# Altium PCB shield_bot.PcbDoc
Units mm, origin at the board's own origin, x right, y up, seen from the top; angles counter-clockwise.
Board outline 70 x 82.5 mm, 2 copper layers (Top Layer, Bottom Layer), stack 1.584 mm thick; 31 components, 69 nets, 187 pads, 257 vias.
Unrouted connection lines stored in the file: 8.
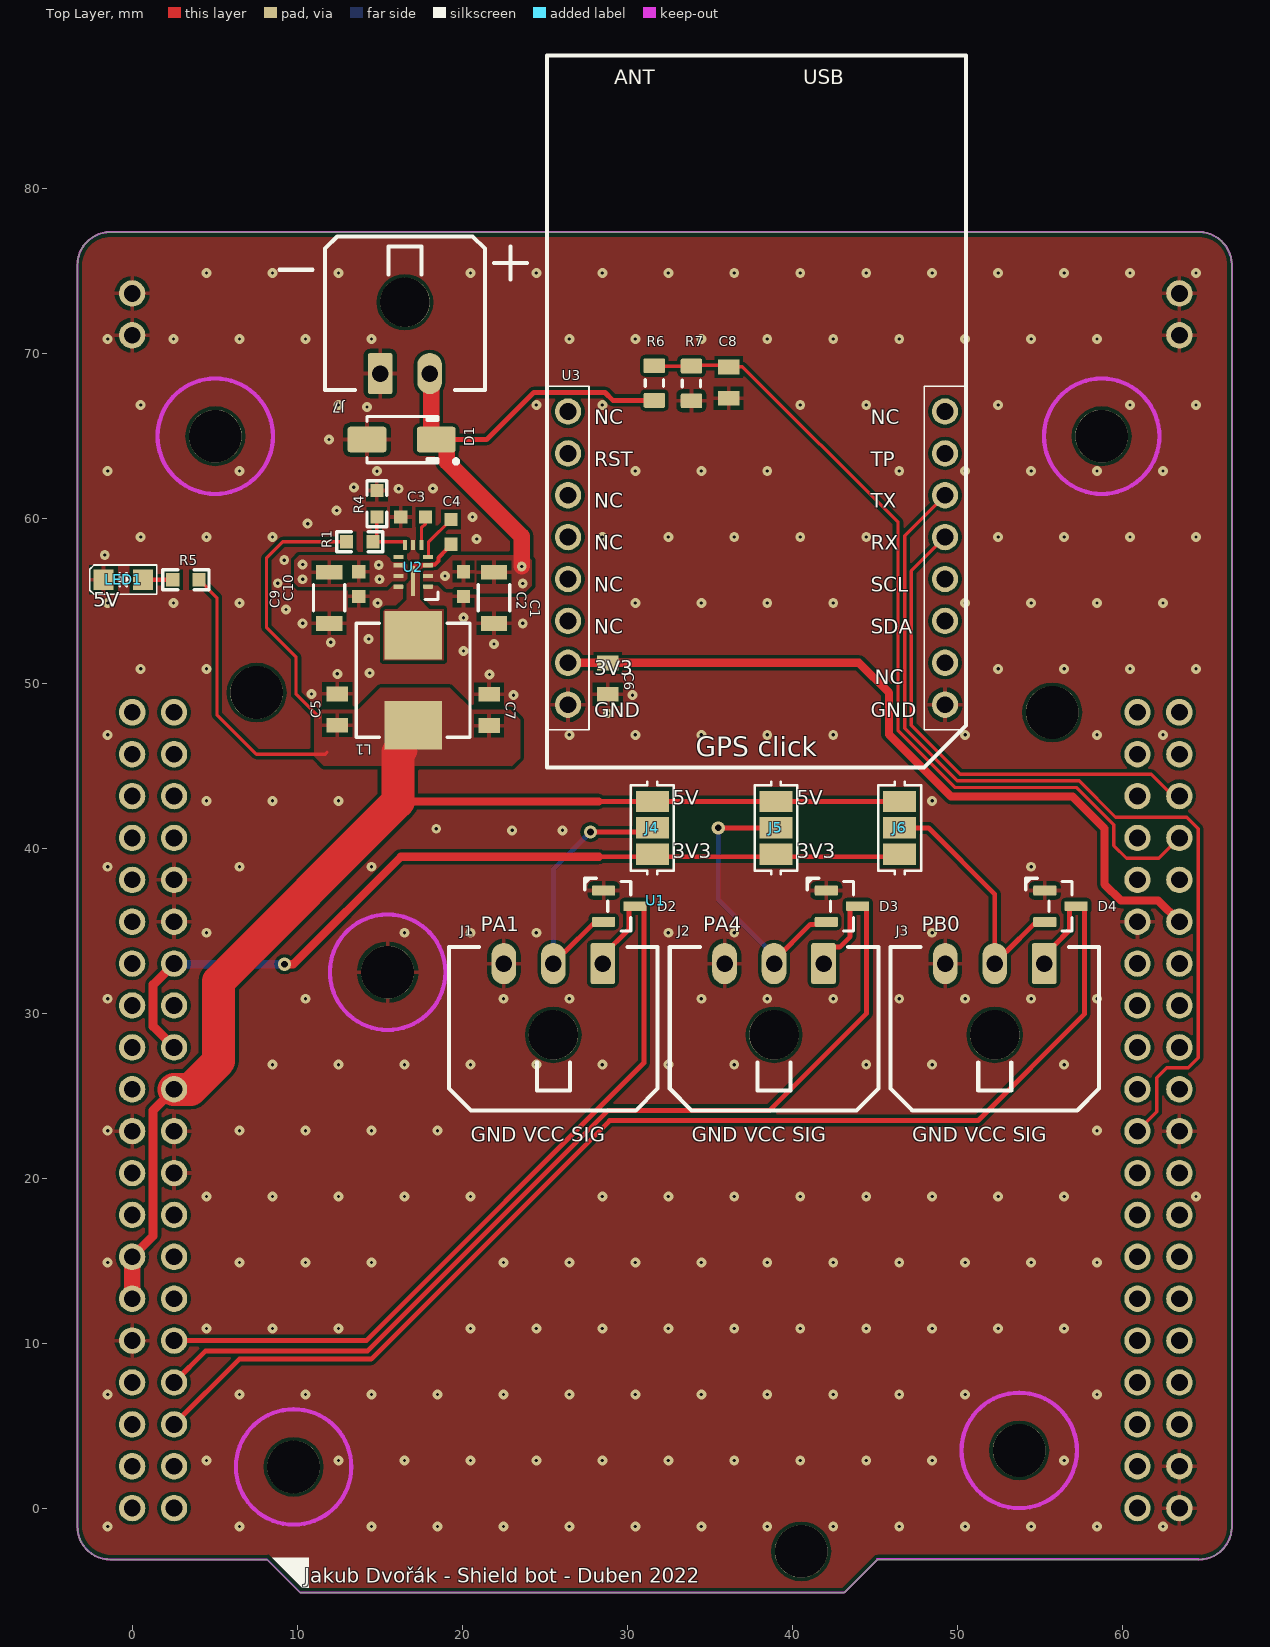
[diagram p0: Top Layer view]
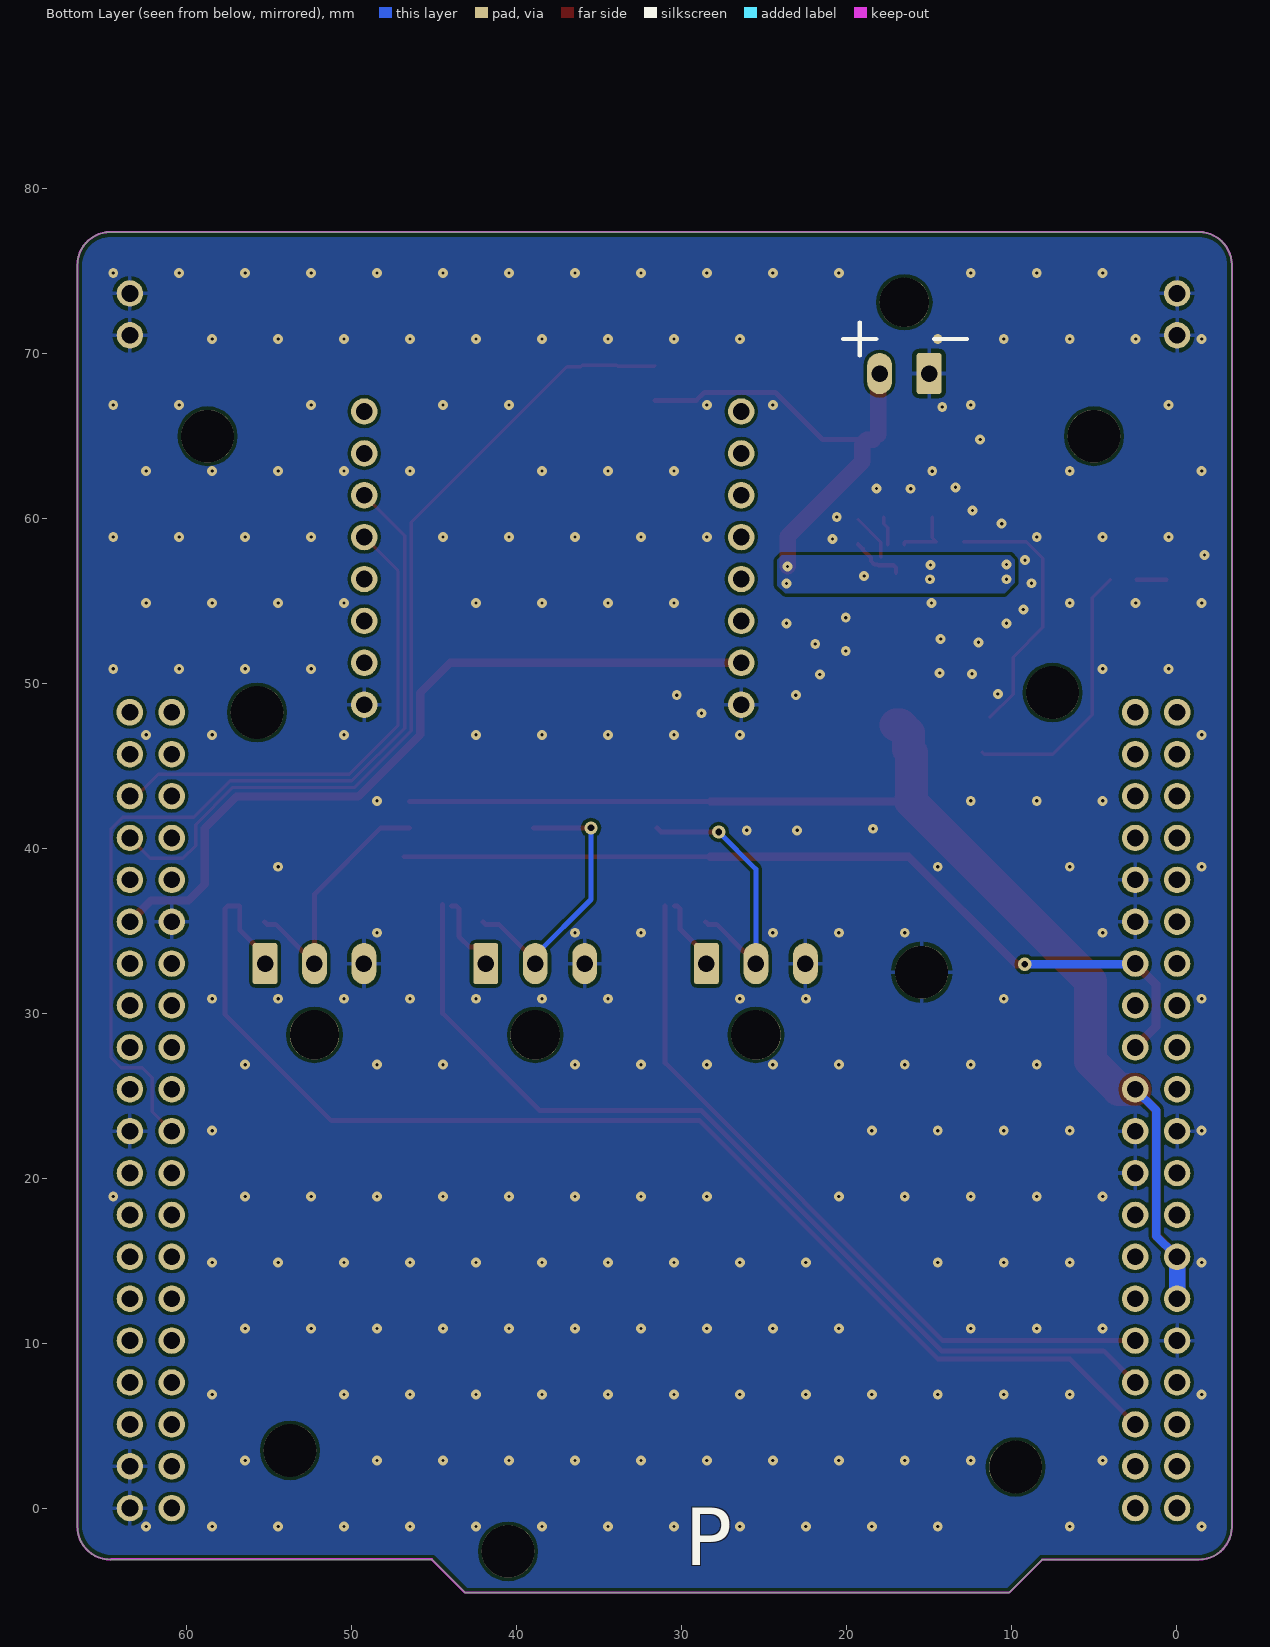
[diagram p1: Bottom Layer view, seen from below]
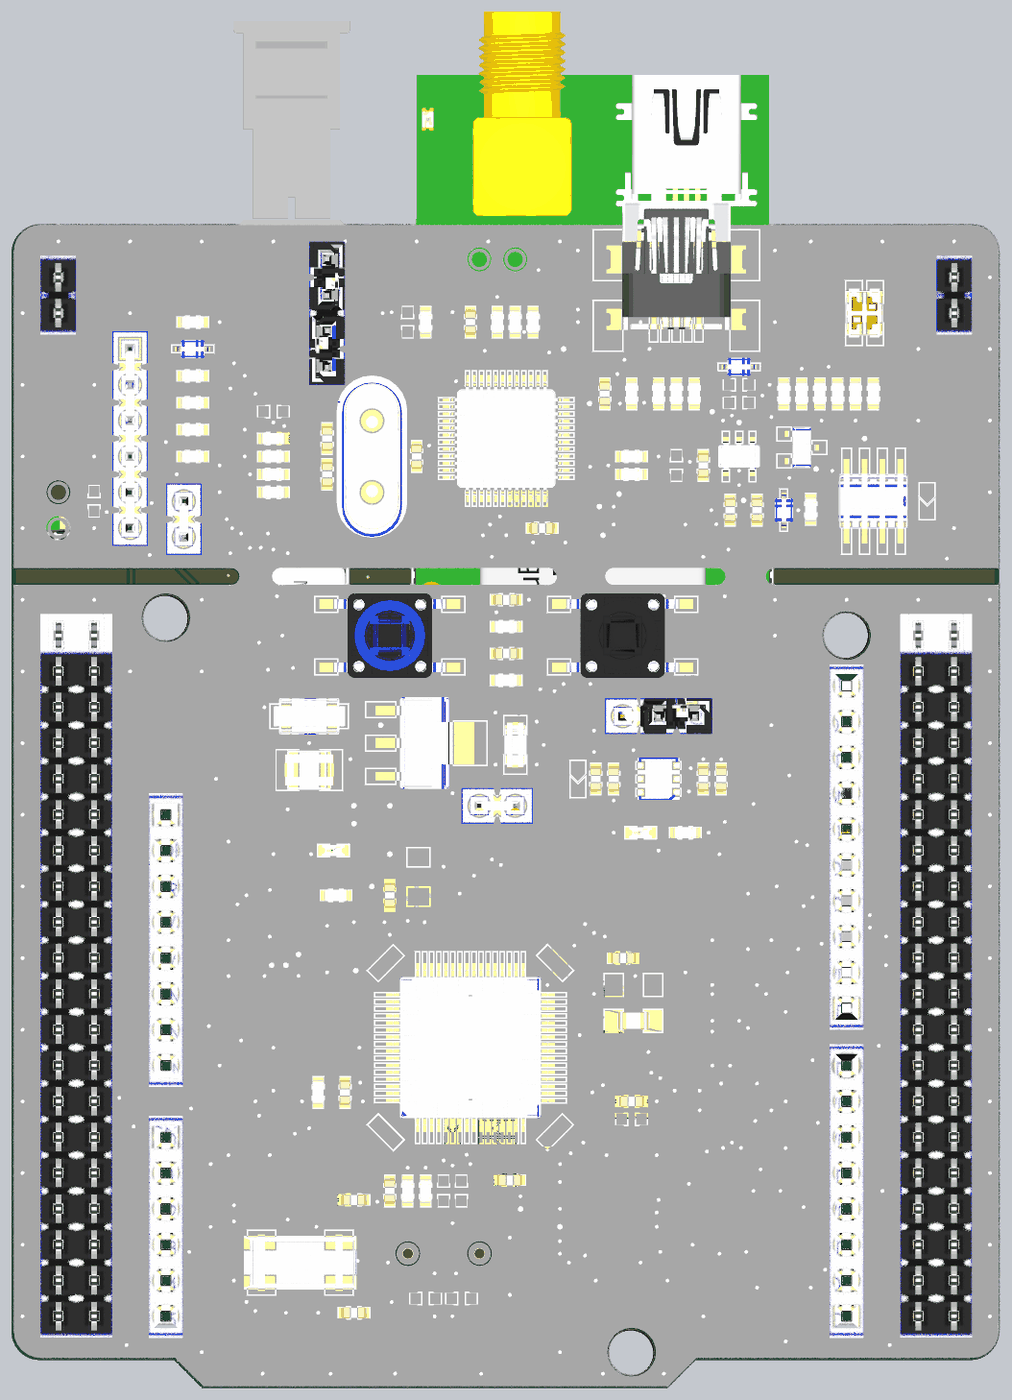
[diagram p2: 3D render of the assembled board from above, using the file's embedded part models]

## Layer stack, top to bottom
Top Solder Mask: solder mask 0.005, Solder Resist, Dk 3.5
Top Layer: signal copper 0.035
Dielectric 1: core 1.514, FR-4, Dk 4.2
Bottom Layer: signal copper 0.035
Botom Solder Mask: solder mask 0.005, Solder Resist, Dk 3.5

## Board outline
-3.359,-1.119 ccw(c-1.359,-1.119) -1.359,-3.119 8.141,-3.119 10.141,-5.119 43.141,-5.119 45.141,-3.119 64.641,-3.119 ccw(c64.641,-1.119) 66.641,-1.119 66.641,75.381 ccw(c64.641,75.381) 64.641,77.381 -1.359,77.381 ccw(c-1.359,75.381) -3.359,75.381

## Design rules (kind name [scope] priority, off if disabled: settings)
AssemblyTestPointUsage [All] p1 off:
AssemblyTestpoint [All] p1 off: testpointundercomponent=TRUE minsize=1.016 maxsize=2.54 preferedsize=1.524 minholesize=0 maxholesize=1.016 preferedholesize=0.813 testpointgrid=0.025 usegrid=TRUE gridtolerance=0 allowsidetop=TRUE allowsidebottom=TRUE
BoardOutlineClearance X_BoardOutlineClearance [HasFootprint('MOUSE_BITES_3X_2_4MM') or  HasFootprint('MOUSE_BITES_5X_2_4MM') or HasFootprint('IN_TAB_2_4_EXT')] p1: gap=0 ignorepadtopadclearanceinfootprint=FALSE // Excluded components
BoardOutlineClearance [All] p2: gap=0.3 ignorepadtopadclearanceinfootprint=FALSE
Clearance "NPT Hole" [(InPadClass('NPTH'))] p1: gap=0.3 ignorepadtopadclearanceinfootprint=FALSE except(0: Arc-Hole Track-Hole SMDPad-Hole THPad-Hole Via-Hole Fill-Hole Poly-Hole Region-Hole Text-Hole) // Copper Clearance to NPT Hole
Clearance [All] p2: gap=0.2 ignorepadtopadclearanceinfootprint=FALSE except(0: Arc-Hole Track-Hole SMDPad-Hole THPad-Hole Via-Hole Fill-Hole Poly-Hole Region-Hole Text-Hole)
ComponentClearance [Not (HasFootprint('PASTE_STENCIL')) vs Not (HasFootprint('PASTE_STENCIL'))] p1: gap=0.25 collisioncheckmode=3 verticalgap=0.25 showdistances=TRUE
FabricationTestPointUsage [All] p1 off: valid=0 allowmultiple=FALSE
FabricationTestpoint [All] p1 off: side=3 testpointundercomponent=TRUE minsize=1.016 maxsize=2.54 preferedsize=1.524 minholesize=0 maxholesize=1.016 preferedholesize=0.813 testpointgrid=0.025 allowsidetop=TRUE allowsidebottom=TRUE usegrid=TRUE gridtolerance=0
Height [All] p1: minheight=0 maxheight=50 prefheight=12.7
HoleSize [All] p1: absolutevalues=TRUE maxlimit=6 minlimit=0.2 maxpercent=80.000 minpercent=20.000
HoleToHoleClearance [All] p1: gap=0.25 allowstackedmicrovias=TRUE
MinimumAnnularRing [All] p1: minimumring=0.2
MinimumSolderMaskSliver [All] p1: minsoldermaskwidth=0.07
PlaneClearance [All] p1: clearance=0.15
PlaneConnect [All] p1: planeconnectstyle=Relief reliefexpansion=0.5 reliefentries=4 reliefconductorwidth=0.25 reliefairgap=0.25
PolygonConnect "Via Connect" [IsVia] p1: connectstyle=Direct reliefconductorwidth=0.254 reliefentries=4 polygonreliefangle="90 Angle" airgapwidth=0.254 // Via connection style
PolygonConnect [All] p2: connectstyle=Relief reliefconductorwidth=0.25 reliefentries=4 polygonreliefangle="90 Angle" airgapwidth=0.25
RoutingCorners [All] p1: cornerstyle=45-Degree minsetback=2.5 maxsetback=2.5
RoutingVias [All] p1: holewidth=0.4 width=0.8 viastyle="Through Hole" minholewidth=0.2 minwidth=0.6 maxholewidth=1 maxwidth=1.6 useviatemplates=TRUE viatemplateguid#1={26E1B80A-D5C0-4505-9623-F9CB59458B7C} viatemplateguid#2={36E1CC21-96E2-49A4-88B6-F2B68A4AE673} viatemplateguid#3={0111366E-BFF6-48C7-B537-6C96D691991D} viatemplateguid#4={0E0C0ADB-85E7-4A3B-837A-9DB01CC425C1} viatemplateguid#5={2AE59D33-7222-4D26-9EBE-4F327D78EEDC} viatemplateguid#6={04F958C5-3098-48F3-841F-9266846BFB57} viatemplateguid#7={3EBD0A92-59C6-4A03-9F1B-9C85124118A6} viatemplateguid#8={D374DE30-929E-4757-A35D-CCDF97954E77} viatemplateguid#9={7387BB7D-B2C7-482F-BFEA-A07FA82CF54E} viatemplatename#1=v50h15m22 viatemplatename#2=v60h20m28 viatemplatename#3=v80h40m48 viatemplatename#4=v110h70m78 viatemplatename#5=v140h90 viatemplatename#6=v160h100m108 viatemplatename#7=v170h110 viatemplatename#8=v200h130 viatemplatename#9=v260h150
SMDEntry [All] p1: side=TRUE corner=FALSE anyangle=FALSE
SMDEntry ResistorArray_Exit [HasFootprint('CAC-50P200X100-8M')] p2: side=TRUE corner=FALSE anyangle=FALSE
SMDToCorner ResistorArray_NeckDown [HasFootprint('CAC-50P200X100-8M')] p1: distance=78740
SilkToSilkClearance [All] p1: silktosilkclearance=0.1
SilkToSolderMaskClearance [IsPad] p1: minsilkscreentomaskgap=0.1 clearancetoexposedcopper=FALSE
SolderMaskExpansion "PTH Via" [IsVia] p1: expansion=0.075 istentingtop=FALSE soldermaskfromhole=TRUE
SolderMaskExpansion [All] p2: expansion=0.1 istentingtop=FALSE
Width [All] p1: maxlimit=5 minlimit=0.15 preferedwidth=0.3
16 further rules are at their usual default settings.

## Components (designator, comment, footprint, x,y, rotation, side; value= is the part's Value field where it differs from the comment)
C1 "10uF" WCAP-CSGP_1206_L3.2W1.6H1.6 21.9,55.2 r90 top
C2 "220nF" WCAP-CSGP_0603_L1.6W0.8H0.8_Reflow 20.051,56.035 r90 top
C3 "1uF, 25V" WCAP-CSGP_0603_L1.6W0.8H0.8_Reflow 17,60.1 r180 top
C4 "100n" WCAP-CSGP_0603_L1.6W0.8H0.8_Reflow 19.3,59.2 r90 top
C5 "22uF, 10V" WCAP-CSGP_0805_L2W1.25H1.25 12.4,48.425 r270 top
C6 "470nF" WCAP-CSGP_0805_L2W1.25H1.25 28.8,50.3 r90 top
C7 "22uF, 10V" WCAP-CSGP_0805_L2W1.25H1.25 21.6,48.4 r270 top
C8 "100nF" WCAP-CSGP_0805_L2W1.25H0.8_Reflow 36.125,68.25 r90 top
C9 "10uF" WCAP-CSGP_1206_L3.2W1.6H1.6 11.9,55.2 r90 top
C10 "220nF" WCAP-CSGP_0603_L1.6W0.8H0.8_Reflow 13.7,56.035 r90 top
D1 "S1M" DIOM5127X23N(SMA) 16.3,64.8 r180 top
D2 "BAV99" SOT95P230X110-3N(SOT23) 29.5,36.5 r0 top
D3 "BAV99" SOT95P230X110-3N(SOT23) 43,36.5 r0 top
D4 "BAV99" SOT95P230X110-3N(SOT23) 56.25,36.5 r0 top
J1 "43650-0300" MOLEX_43650-0300 25.5,33.02 r180 top
J2 "43650-0300" MOLEX_43650-0300 38.883,33.02 r180 top
J3 "43650-0300" MOLEX_43650-0300 52.267,33.02 r180 top
J4 "" JUMPER3_SMT_1LAYER 31.5,41.25 r90 top
J5 "" JUMPER3_SMT_1LAYER 39,41.25 r90 top
J6 "" JUMPER3_SMT_1LAYER 46.5,41.25 r90 top
J7 "43650-0200" MOLEX_43650-0200 16.5,68.8 r0 top
L1 "2.2uH, 6.5A" WE-LHMI_7030 17,50.2 r270 top
LED1 "green" 0805LEDG -0.579,56.3 r180 top
R1 "Thick film" RES_0603 13.761,58.6 r180 top value=100k
R4 "Thick film" RES_0603 14.8,60.905 r270 top value=24k
R5 "Thick film" RES_0603 3.218,56.3 r0 top value=2k2
R6 "470k" RESC2012X06N(SMR0805) 31.625,68.225 r270 top
R7 "100k" RESC2012X06N(SMR0805) 33.875,68.2 r90 top
U1 "NUCLEO F466 MORPHO LEFT" NUCLEO_BOT_PADS -0.04,0 r0 top locked
U2 "LMR33630ARNX" QFN50P200X300X100-12N 17,57 r180 top
U3 "GPS Click" "GPS CLICK - NO LEGS" 26.39,48.72 r0 top

## Footprints (in the part's own frame and the unit in brackets; to place one, negate y for a bottom-side part, rotate by r counter-clockwise, add the part's x,y. Pads: shape width x height; smd on the part's side, far side on the other; paste and mask are expansions set on the pad)
0805LEDG [mm]
  rect 1.2x1.25 smd: A(-1.2,0) K(1.2,0)
  silkscreen extent -2.03,-0.89 2.03,0.89, body extent -1.01,-0.63 1.01,0.62, height 1.11
DIOM5127X23N(SMA) [mm] "Molded Diode, 2-Leads, Body 5,10x2,67mm, IPC Medium Density"
  rrect20% 2.35x1.55 smd: 1(-2.1,0) 2(2.1,0)
  silkscreen extent -3.43,-1.4 2.1,1.45, body extent -2.6,-1.39 2.6,1.4, height 2.38
"GPS CLICK - NO LEGS" [mm] "base footprint w/o model"
  round 1.6 hole 1.02: 1(0,17.78) 2(0,15.24) 3(0,12.7) 4(0,10.16) 5(0,7.62) 6(0,5.08) 7(0,2.54) 8(0,0) 9(22.86,0) 10(22.86,2.54) 11(22.86,5.08) 12(22.86,7.62) 13(22.86,10.16) 14(22.86,12.7) 15(22.86,15.24) 16(22.86,17.78)
  silkscreen extent -1.27,-3.81 24.13,39.37, body extent -1.25,-3.75 24.15,43.75, height 14.19
JUMPER3_SMT_1LAYER [mm] "Soldering jumper, 3Way 1 layer"
  rect 1.3x2 smd paste-5: 1(-1.6,0) 2(1.6,0) 3(0,0)
  silkscreen extent -2.8,-1.3 2.8,1.3
MOLEX_43650-0200 [mm] "Micro-Fit 3.0 Header, THT, Single Row, Horizontal, with PCB Polarizing Peg, 2 Circuits, with mate"
  rrect20% 1.5x2.5 hole 1: 1(-1.5,0)
  oval 1.5x2.5 hole 1: 2(1.5,0)
  round 3 hole 3 unplated: #(0,4.32)
  silkscreen extent -4.85,-1 4.85,8.32, body extent -4.82,-1 4.83,23, height 6.9
MOLEX_43650-0300 [mm] "Micro-Fit 3.0 Header, THT, Single Row, Horizontal, with PCB Polarizing Peg, 3 Circuits, with mate"
  rrect20% 1.5x2.5 hole 1: 1(-3,0)
  oval 1.5x2.5 hole 1: 2(0,0) 3(3,0)
  round 3 hole 3 unplated: #(0,4.32)
  silkscreen extent -6.32,-1 6.33,8.9, body extent -6.32,-1 6.33,8.9, height 5.58
NUCLEO_BOT_PADS [mm]
  round 1.6 hole 1.02: 1(0,45.72) 2(0,43.18) 3(0,40.64) 4(0,38.1) 5(0,35.56) 6(0,33.02) 7(0,30.48) 8(0,27.94) 9(0,25.4) 10(0,22.86) 11(0,20.32) 12(0,17.78) 13(0,15.24) 14(0,12.7) 15(0,10.16) 16(0,7.62) 17(0,5.08) 18(0,2.54) 19(0,0) 20(2.54,0) 21(2.54,2.54) 22(2.54,5.08) 23(2.54,7.62) 24(2.54,10.16) 25(2.54,12.7) 26(2.54,15.24) 27(2.54,17.78) 28(2.54,20.32) 29(2.54,22.86) 30(2.54,25.4) 31(2.54,27.94) 32(2.54,30.48) 33(2.54,33.02) 34(2.54,35.56) 35(2.54,38.1) 36(2.54,40.64) 37(2.54,43.18) 38(2.54,45.72) 39(60.96,45.72) 40(60.96,43.18) 41(60.96,40.64) 42(60.96,38.1) 43(60.96,35.56) 44(60.96,33.02) 45(60.96,30.48) 46(60.96,27.94) 47(60.96,25.4) 48(60.96,22.86) 49(60.96,20.32) 50(60.96,17.78) 51(60.96,15.24) 52(60.96,12.7) 53(60.96,10.16) 54(60.96,7.62) 55(60.96,5.08) 56(60.96,2.54) 57(60.96,0) 58(63.5,0) 59(63.5,2.54) 60(63.5,5.08) 61(63.5,7.62) 62(63.5,10.16) 63(63.5,12.7) 64(63.5,15.24) 65(63.5,17.78) 66(63.5,20.32) 67(63.5,22.86) 68(63.5,25.4) 69(63.5,27.94) 70(63.5,30.48) 71(63.5,33.02) 72(63.5,35.56) 73(63.5,38.1) 74(63.5,40.64) 75(63.5,43.18) 76(63.5,45.72) 77(0,71.12) 78(0,73.66) 79(63.5,71.12) 80(63.5,73.66)
  body extent -3.25,-5.07 66.75,78.9, height 26.17
QFN50P200X300X100-12N [mm] "QFN, 11-Leads, Body 2,00x3,00mm, Pitch 0,50mm and 0,65mm"
  rrect20% 0.6x0.25 smd: 1(-0.9,1.125) 2(-0.9,0.475) 3(-0.9,-0.175) 4(-0.9,-0.675) 8(0.9,-0.675) 9(0.9,-0.175) 10(0.9,0.475) 11(0.9,1.125)
  rrect20% 0.25x0.6 smd: 5(-0.5,-1.4) 6(0,-1.4) 7(0.5,-1.4)
  rrect25% 0.25x0.8 smd mask-10: 12(0,1.3) 12(0,0.276)
  rrect20% 0.25x1.825 smd paste-1: 12(0,0.788)
  silkscreen extent -1.5,1.46 -0.73,1.9, body extent -1,-1.5 1,1.5, height 1
RES_0603 [mm]
  rect 0.8x0.8 smd: 1(-0.8,0) 2(0.8,0)
  silkscreen extent -1.4,-0.6 1.4,0.6, body extent -0.78,-0.43 0.78,0.42, height 0.45
RESC2012X06N(SMR0805) [mm] "Chip Resistor, 2-Leads, Body 2,00x1,25mm, IPC Medium Density"
  rrect20% 0.9x1.3 smd: 1(-1.05,0) 2(1.05,0)
  silkscreen extent -0.2,-0.55 0.2,0.55, body extent -1.1,-0.7 1.1,0.7, height 0.6
SOT95P230X110-3N(SOT23) [mm]
  rrect20% 1.4x0.6 smd: 1(-0.95,0.95) 2(-0.95,-0.95) 3(0.95,0)
  silkscreen extent -2.1,-1.5 0.7,1.7, body extent -1.4,-1.45 1.4,1.45, height 1.3
WCAP-CSGP_0603_L1.6W0.8H0.8_Reflow [mm] "Ceramic Capacitors, body 1.6x0.8mm"
  rect 0.8x0.8 smd: 1(-0.75,0) 2(0.75,0)
  body extent -0.8,-0.4 0.8,0.4, height 0.8
WCAP-CSGP_0805_L2W1.25H0.8_Reflow [mm] "Ceramic Capacitors, body 2x1.25mm"
  rect 0.9x1.3 smd: 1(-0.95,0) 2(0.95,0)
  body extent -1,-0.62 1,0.63, height 0.8
WCAP-CSGP_0805_L2W1.25H1.25 [mm] "Ceramic Capacitors, body 2x1.25mm"
  rect 0.9x1.3 smd: 1(-0.95,0) 2(0.95,0)
  body extent -1,-0.63 1,0.63, height 1.25
WCAP-CSGP_1206_L3.2W1.6H1.6 [mm] "Ceramic Capacitors, body 3.2x1.6mm"
  rect 0.9x1.6 smd: 1(-1.55,0) 2(1.55,0)
  silkscreen extent -0.8,-0.95 0.8,0.95, body extent -1.6,-0.8 1.6,0.8, height 1.6
WE-LHMI_7030 [mm] "SMT Power Inductor, 2-Leads, body 6.6x6.6mm"
  rect 2.95x3.5 smd: 1(-2.725,0) 2(2.725,0)
  silkscreen extent -3.45,-3.45 3.45,3.45, body extent -3.65,-3.3 3.65,3.3, height 2.8

## Part data
C1 C9: library part 885012108022, "WCAP-CSGP Multilayer Ceramic Chip Capacitor, General Purpose, size 1206, X5R, 10uF, 50V", Capacitance Tolerance=+/-10%, Isolation Resistance=0.005GOhm, Manufacturer="Wurth Elektronik", Operating Temperature max.=85C, Operating Temperature min.=-55C, Rated Voltage=50V, Capacitance=10uF, Ceramic Type=X5R, ComponentLink1Description="Manufacturer Link", ComponentLink1URL=http://www.we-online.de, ComponentLink2Description=Datasheet, ComponentLink2URL=https://www.we-online.com/catalog/datasheet/885012108022.pdf, Dissipation Factor=10%, Height=1.6mm, Length=3.2mm, Manufacturer Part Number=885012108022, Mounting Technology=SMT, Packaging="Tape and Reel", Size=1206, Technical Reference=X5R1206106K050DFCT10000, Width=1.6mm
C2 C10: library part 885012206125, "WCAP-CSGP Multilayer Ceramic Chip Capacitor, General Purpose, size 0603, X7R, 220nF, 50V", Capacitance Tolerance=+/-5%, Isolation Resistance=2.3GOhm, Manufacturer="Wurth Elektronik", Operating Temperature max.=125C, Operating Temperature min.=-55C, Rated Voltage=50V, Capacitance=220nF, Ceramic Type=X7R, ComponentLink1Description="Manufacturer Link", ComponentLink1URL=http://www.we-online.de, ComponentLink2Description=Datasheet, ComponentLink2URL=https://www.we-online.com/catalog/datasheet/885012206125.pdf, Dissipation Factor=10%, Height=0.8mm, Length=1.6mm, Manufacturer Part Number=885012206125, Mounting Technology=SMT, Packaging="Tape and Reel", Size=0603, Technical Reference=X7R0603224J050DFCT10000, Width=0.8mm
C3: library part 885012206076, "WCAP-CSGP Multilayer Ceramic Chip Capacitor, General Purpose, size 0603, X7R, 1uF, 25V", Capacitance=1uF, Capacitance Tolerance=+/-10%, Isolation Resistance=0.5GOhm, Manufacturer="Wurth Elektronik", Operating Temperature max.=125C, Operating Temperature min.=-55C, Rated Voltage=25V, Ceramic Type=X7R, ComponentLink1Description="Manufacturer Link", ComponentLink1URL=http://www.we-online.de, ComponentLink2Description=Datasheet, ComponentLink2URL=https://www.we-online.com/catalog/datasheet/885012206076.pdf, Dissipation Factor=10%, Height=0.8mm, Length=1.6mm, Manufacturer Part Number=885012206076, Mounting Technology=SMT, Packaging="Tape and Reel", Size=0603, Technical Reference=X7R0603105K025DFCT10000, Width=0.8mm
C4: library part 885012206071R, "WCAP-CSGP Multilayer Ceramic Chip Capacitor, General Purpose, size 0603, X7R, 100nF, 25V", Capacitance=100nF, Capacitance Tolerance=+/-10%, Isolation Resistance=5GOhm, Manufacturer="Wurth Elektronik", Operating Temperature max.=125C, Operating Temperature min.=-55C, Rated Voltage=25V, Ceramic Type=X7R, ComponentLink1Description="Manufacturer Link", ComponentLink1URL=http://www.we-online.de, ComponentLink2Description=Datasheet, ComponentLink2URL=https://www.we-online.com/catalog/datasheet/885012206071R.pdf, Dissipation Factor=3.5%, Height=0.8mm, Length=1.6mm, Manufacturer Part Number=885012206071R, Mounting Technology=SMT, Packaging="Tape and Reel", Size=0603, Technical Reference=X7R0603104K025DFCT20000, Width=0.8mm
C5 C7: library part 885012107011, "WCAP-CSGP Multilayer Ceramic Chip Capacitor, General Purpose, size 0805, X5R, 22uF, 10V", Capacitance=22uF, Capacitance Tolerance=+/-20%, Isolation Resistance=0.005GOhm, Manufacturer="Wurth Elektronik", Operating Temperature max.=85C, Operating Temperature min.=-55C, Rated Voltage=10V, Ceramic Type=X5R, ComponentLink1Description="Manufacturer Link", ComponentLink1URL=http://www.we-online.de, ComponentLink2Description=Datasheet, ComponentLink2URL=https://www.we-online.com/catalog/datasheet/885012107011.pdf, Dissipation Factor=10%, Height=1.25mm, Length=2mm, Manufacturer Part Number=885012107011, Mounting Technology=SMT, Packaging="Tape and Reel", Size=0805, Technical Reference=X5R0805226M010DFCT10000, Width=1.25mm
C6: library part 885012207102, "WCAP-CSGP Multilayer Ceramic Chip Capacitor, General Purpose, size 0805, X7R, 470nF, 50V", Capacitance Tolerance=+/-10%, Isolation Resistance=1.1GOhm, Manufacturer="Wurth Elektronik", Operating Temperature max.=125C, Operating Temperature min.=-55C, Rated Voltage=50V, Capacitance=470nF, Ceramic Type=X7R, ComponentLink1Description="Manufacturer Link", ComponentLink1URL=http://www.we-online.de, ComponentLink2Description=Datasheet, ComponentLink2URL=https://www.we-online.com/catalog/datasheet/885012207102.pdf, Dissipation Factor=3%, Height=1.25mm, Length=2mm, Manufacturer Part Number=885012207102, Mounting Technology=SMT, Packaging="Tape and Reel", Size=0805, Technical Reference=X7R0805474K050DFCT10000, Width=1.25mm
C8: library part 885012207098R, "WCAP-CSGP Multilayer Ceramic Chip Capacitor, General Purpose, size 0805, X7R, 100nF, 50V", Capacitance Tolerance=+/-10%, Isolation Resistance=5GOhm, Manufacturer="Wurth Elektronik", Operating Temperature max.=125C, Operating Temperature min.=-55C, Rated Voltage=50V, Capacitance=100nF, Ceramic Type=X7R, ComponentLink1Description="Manufacturer Link", ComponentLink1URL=http://www.we-online.de, ComponentLink2Description=Datasheet, ComponentLink2URL=https://www.we-online.com/catalog/datasheet/885012207098R.pdf, Dissipation Factor=2.5%, Height=0.8mm, Length=2mm, Manufacturer Part Number=885012207098R, Mounting Technology=SMT, Packaging="Tape and Reel", Size=0805, Technical Reference=X7R0805104K050DFCT20000, Width=1.25mm
D1: library part ED+S1MXX0, "D; Si; 1000V; 1A; 1x;", KK=ED+S1MXX0
J1 J2 J3: library part EJ-0436500300XX0, "Con; Micro Fit 3.0; 3x; PCB; Right angle; 250V; 5A; Male; Tin; ??;", Current_Rating_A=5, Manufacturer="Molex: 436500300", Voltage_Rating_V=250, Angle="Right angle", Component_class=Connector, ComponentLink1Description=Helios, ComponentLink1URL=heliosgreen://v1/hegMT/5-MT/Classes(343)/Folders/OpenForm?RecordNumbers=[10524933], ComponentLink2Description=EJ-0436500300XX0_Molex_DRW_100.pdf, ComponentLink2URL=I:\datasheets\EJ-0436500300XX0_Molex_DRW_100.pdf, ComponentLink3Description=EJ-0436500300XX0_MolexEN100.pdf, ComponentLink3URL=I:\datasheets\EJ-0436500300XX0_MolexEN100.pdf, Connector_Family="Micro Fit 3.0", Gender=Male, KK=EJ-0436500300XX0, Mounting_Style=PCB, Multiplicity=3, Plating=Tin, SMD=0, Status_I=Production, Status_II=Active, System=Connector
J4 J5 J6: library part JUMPER_3P, "Soldering Jumper, 3 Pins", 01_HODNOTA/POPIS="SHORT CUT", 03_MERITKO="0.3mm izol. mezera", 04_DOPLNKOVY TEXT="0.3mm - MOTIV na DPS", Author="JM 1.9.2015", SMD=1
J7: library part EJ-43650-0200XX0, "Con; Micro Fit 3.0; 2x; PCB; Right angle; 600V; 5A; Male; Nickel; ??;", Current_Rating_A=5, Manufacturer="MOLEX: 43650-0200", Voltage_Rating_V=600, Angle="Right angle", Component_class=Connector, ComponentLink1Description=Helios, ComponentLink1URL=heliosgreen://v1/hegMT/5-MT/Classes(343)/Folders/OpenForm?RecordNumbers=[11652171], ComponentLink2Description=EJ-43650-0200XX0_MolexEN100.pdf, ComponentLink2URL=I:\datasheets\EJ-43650-0200XX0_MolexEN100.pdf, Connector_Family="Micro Fit 3.0", Gender=Male, KK=EJ-43650-0200XX0, Mounting_Style=PCB, Multiplicity=2, Plating=Nickel, SMD=0, Status_I=Production, Status_II=Active, System=Connector
L1: library part 74437346022, "WE-LHMI SMT Power Inductor, size 7030, 2.2uH, 6.5A", DC Resistance max.=20mOhm, DC Resistance typ.=18mOhm, Inductance=2.2uH, Manufacturer="Wurth Elektronik", Operating Temperature="-40 to +125degC", Rated Current=6.5A, Saturation Current @10%=10A, Saturation Current @30%=19.1A, Self Resonant Frequency=32MHz, ComponentLink1Description=Manufacturer, ComponentLink1URL=http://www.we-online.de, ComponentLink2Description=Datasheet, ComponentLink2URL=https://www.we-online.com/catalog/datasheet/74437346022.pdf, Height=2.8mm, Length=6.6mm, Manufacturer Part Number=74437346022, Mounting Technology=SMT, Packaging="Tape and Reel", Size=7030, Width=6.6mm
LED1: library part LEDG_0805
R1: library part RES_100k_5%_0603, "100000.00", Case [EIA]=0603, Case [Metric]=1608, Power Rating [W]=0.1, Tolerance [%]=±5, Value [Ω]=100000.00
R4: library part RES_24k_5%_0603, "24000.00", Case [EIA]=0603, Case [Metric]=1608, Power Rating [W]=0.1, Tolerance [%]=±5, Value [Ω]=24000.00
R5: library part RES_2k2_5%_0603, "2200.00", Case [EIA]=0603, Case [Metric]=1608, Power Rating [W]=0.1, Tolerance [%]=±5, Value [Ω]=2200.00
R6: library part ER+470K0.1WXXF, "R; 470k; 0.125W; 1%; 150V; Thick Film; ±100ppm/K; 1x;", Manufacturer="YAGEO: RC0805FR-07470KL;;AVX: CR21-4703F-T;;BC Components: MCU0805-50 1% P5 470k;;PANASONIC: ERJ 6EN F 4703 V;;HaS Lanskroun: CMF0805 470k 1% 100ppm/K", Power_Rating_W=0.125, Resistance_Ohm=470000, Resistor_Type="Thick Film", Temperature_Coefficient_PPMpK=±100, Tolerance_Pct=1, Voltage_Rating_V=150, Component_class=Resistor, ComponentLink1Description=Helios, ComponentLink1URL=heliosgreen://v1/hegMT/5-MT/Classes(343)/Folders/OpenForm?RecordNumbers=[381583], ComponentLink2Description=ER+0.1WXXF_Yageo.pdf, ComponentLink2URL=i:\DataSheets\ER+0.1WXXF_Yageo.pdf, KK=ER+470K0.1WXXF, Multiplicity=1, SMD=1, Status_I=Production, Status_II=Active
R7: library part ER+100K0.1WXXF, "R; 100k; 0.125W; 1%; 150V; Thick Film; ±100ppm/K; 1x;", Manufacturer="YAGEO: RC0805FR-10100KL", Power_Rating_W=0.125, Resistance_Ohm=100000, Resistor_Type="Thick Film", Temperature_Coefficient_PPMpK=±100, Tolerance_Pct=1, Voltage_Rating_V=150, Component_class=Resistor, ComponentLink1Description=Helios, ComponentLink1URL=heliosgreen://v1/hegMT/5-MT/Classes(343)/Folders/OpenForm?RecordNumbers=[381474], ComponentLink2Description=ER+0.1WXXF_Yageo.pdf, ComponentLink2URL=i:\DataSheets\ER+0.1WXXF_Yageo.pdf, KK=ER+100K0.1WXXF, Multiplicity=1, SMD=1, Status_I=Production, Status_II=Active
U2: library part EU+LMR33630ARNXXX0, "IC; SMPS Regulator/Controller; 3.8V; 36V; 1x;", Manufacturer="Texas Instruments: LMR33630ARNXR;;Texas Instruments: LMR33630ARNXT", Component_class=IC, ComponentLink1Description=Helios, ComponentLink1URL=heliosgreen://v1/hegMT/5-MT/Classes(343)/Folders/OpenForm?RecordNumbers=[12689791], ComponentLink2Description=EU+LMR33630ARNXXX0_TexasInstrumentsEN100, ComponentLink2URL=I:\DataSheets\EU+LMR33630ARNXXX0_TexasInstrumentsEN100.pdf, IC_Type="SMPS Regulator/Controller", KK=EU+LMR33630ARNXXX0, Multiplicity=1, Note="3-A Synchronous Step-Down Voltage Converter", SMD=1, Status_I=Production, Status_II=Active, Vmax_V=36, Vmin_V=3.8
D2 D3 D4: ComponentLink1Description="New link", ComponentLink1URL=C:\Users\Public\Documents\Altium\DSH\EDD+BAV99XX0_OnsemiEN100.PDF

## Free pads (board coordinates)
  round 3.2 hole 3.2 unplated: 8(5,65) 8(7.511,49.451) 8(9.75,2.5) 8(15.451,32.5) 8(40.531,-2.619) 8(53.75,3.5) 8(55.75,48.25) 8(58.75,65)

## Via types
v1: diameter 0.6, hole 0.2, Top Layer to Bottom Layer, tented both sides, 250 vias
v2: diameter 1.6, hole 1.02, Top Layer to Bottom Layer, 4 vias
v3: diameter 0.8, hole 0.4, Top Layer to Bottom Layer, tented both sides, 3 vias

## Nets (pads, with @x,y where several pads share a name; then routed paths per layer and width w, separated by ;. In a path a pad name is that pad's centre, name@x,y a point inside that pad or via, vN(x,y) a via of type N, cw(c..) or ccw(c..) an arc to the next point about the centre after c; other vN are vias at no path point)
3V3_gps: C6.2 U1.72 U3.7 | length 47.1
  Top Layer w0.5: U3.7 28.8,51.26 44.04,51.26 45.85,49.45 45.85,46.907 49.606,43.15 56.994,43.15 58.925,41.219 58.925,37.825 59.909,36.841 62.179,36.841 U1.72
+3V3: J4.1 J5.1 J6.1 U1.31 U1.33 | length 53.2
  Top Layer w0.3: 28.261,39.5 J6.1@46.841,39.5
  Top Layer w0.5: v3(9.2,32.984) 9.734,32.984 16.25,39.5 28.261,39.5
  Top Layer w0.54: U1.31 1.23,29.21 1.23,31.75 U1.33
  Bottom Layer w0.5: U1.33 2.536,32.984 v3(9.2,32.984)
+5V: C5.2 C7.2 J4.2 J5.2 J6.2 L1.2 R1.2 R5.2 U1.13 U1.14 U1.30 | length 119.3
  Top Layer w0.2: R5.2 5.1,55.218 5.1,48.116 7.496,45.72 11.667,45.72 11.775,45.828 ; 11.308,47.952 9.9,49.36 9.9,51.607 8.1,53.407 8.1,57.6 9.1,58.6 R1.2@12.888,58.6
  Top Layer w0.3: 28.257,42.85 J4.2 J5.2 J6.2
  Top Layer w0.5: 16.15,42.85 28.257,42.85
  Top Layer w0.54: U1.13 1.23,16.51 1.23,24.13 U1.30
  Top Layer w1: U1.13 -0.04,12.84 U1.14@0.1,12.7
  Top Layer w2: U1.30 3.5,25.4 5.2,27.1 5.2,31.95 16.074,42.824 ; 16.125,42.875 16.074,42.824 ; L1.2 16.725,47.475 16.25,47 16.25,46.004 16.074,45.828 16.074,42.824
  Bottom Layer w0.5: U1.13@0.1,15.1 0.1,15.38 1.23,16.51 1.23,24.13 U1.30
  Bottom Layer w1: U1.13 -0.04,12.84 U1.14@0,12.8
AGND: U1.61
AVDD: U1.42
BATT: C1.2 C2.2 C9.2 C10.2 D1.1 J7.2 R6.2 U2.2 U2.9 U2.10 | length 28.4
  Top Layer w0.3: D1.1 21.461,64.8 24.311,67.65 28.633,67.65 29.108,67.175 R6.2
  Top Layer w1: J7.2 18.096,68.704 D1.1@18.096,65.075 ; D1.1 18.765,64.8 19.04,64.525 19.04,63.46 23.581,58.919 v1(23.581,57.101)
  other v1: 23.644,56.069 10.3,56.328 14.952,56.325 18.934,56.527 14.913,57.195 10.3,57.223
BOOT0: U1.4
E5V: U1.36
GND: C1.1 C2.1 C3.2 C5.1 C6.1 C7.1 C8.1 C9.1 C10.1 D1.2 D2.1 D3.1 D4.1 J1.3 J2.3 J3.3 J7.1 LED1.K pad.8@15.451,32.5 R4.1 R7.1 U1.10 U1.15 U1.28 U1.29 U1.34 U1.35 U1.43 U1.58 U1.59 U1.67 U1.77 U1.78 U1.79 U1.80 U2.1 U2.6 U2.11 U3.8 U3.9
  other v1: -1.528,-1.108 6.472,-1.108 14.472,-1.108 18.472,-1.108 22.472,-1.108 26.472,-1.108 30.472,-1.108 34.472,-1.108 38.472,-1.108 42.472,-1.108 46.472,-1.108 50.472,-1.108 54.472,-1.108 58.472,-1.108 62.472,-1.108 4.472,2.892 12.472,2.892 16.472,2.892 20.472,2.892 24.472,2.892 28.472,2.892 32.472,2.892 36.472,2.892 40.472,2.892 44.472,2.892 48.472,2.892 56.472,2.892 -1.528,6.892 6.472,6.892 10.472,6.892 14.472,6.892 18.472,6.892 22.472,6.892 26.472,6.892 30.472,6.892 34.472,6.892 38.472,6.892 42.472,6.892 46.472,6.892 50.472,6.892 58.472,6.892 4.472,10.892 8.472,10.892 12.472,10.892 20.472,10.892 24.472,10.892 28.472,10.892 32.472,10.892 36.472,10.892 40.472,10.892 44.472,10.892 48.472,10.892 52.472,10.892 56.472,10.892 -1.528,14.892 6.472,14.892 10.472,14.892 14.472,14.892 22.472,14.892 26.472,14.892 30.472,14.892 34.472,14.892 38.472,14.892 42.472,14.892 46.472,14.892 50.472,14.892 54.472,14.892 58.472,14.892 4.472,18.892 8.472,18.892 12.472,18.892 16.472,18.892 20.472,18.892 28.472,18.892 32.472,18.892 36.472,18.892 40.472,18.892 44.472,18.892 48.472,18.892 52.472,18.892 56.472,18.892 64.472,18.892 -1.528,22.892 6.472,22.892 10.472,22.892 14.472,22.892 18.472,22.892 58.472,22.892 8.472,26.892 12.472,26.892 16.472,26.892 20.472,26.892 24.472,26.892 28.472,26.892 32.472,26.892 36.472,26.892 44.472,26.892 48.472,26.892 56.472,26.892 -1.528,30.892 10.472,30.892 22.472,30.892 26.472,30.892 34.472,30.892 38.472,30.892 42.472,30.892 46.472,30.892 50.472,30.892 54.472,30.892 58.472,30.892 4.472,34.892 16.472,34.892 20.472,34.892 24.472,34.892 32.472,34.892 36.472,34.892 48.472,34.892 -1.528,38.892 6.472,38.892 14.472,38.892 54.472,38.892 23,41.1 26.054,41.1 18.4,41.2 4.472,42.892 8.472,42.892 12.472,42.892 48.472,42.892 -1.528,46.892 26.472,46.892 30.472,46.892 34.472,46.892 38.472,46.892 42.472,46.892 50.472,46.892 58.472,46.892 62.472,46.892 28.8,48.2 23.078,49.3 30.3,49.3 10.831,49.369 21.623,50.547 12.4,50.591 14.361,50.648 0.472,50.892 4.472,50.892 52.472,50.892 56.472,50.892 60.472,50.892 64.472,50.892 20.051,51.973 21.9,52.4 12,52.5 14.3,52.7 10.3,53.65 23.644,53.65 20.051,54 9.285,54.493 -1.528,54.892 2.472,54.892 6.472,54.892 14.847,54.892 30.472,54.892 34.472,54.892 38.472,54.892 42.472,54.892 50.472,54.892 54.472,54.892 58.472,54.892 62.472,54.892 8.79,56.082 9.182,57.487 -1.7,57.8 20.85,58.763 0.472,58.892 4.472,58.892 8.472,58.892 28.472,58.892 32.472,58.892 36.472,58.892 40.472,58.892 44.472,58.892 52.472,58.892 56.472,58.892 60.472,58.892 64.472,58.892 10.6,59.7 20.6,60.1 12.361,60.5 16.119,61.811 18.193,61.83 13.4,61.9 -1.528,62.892 6.472,62.892 14.807,62.88 30.472,62.892 34.472,62.892 38.472,62.892 46.472,62.892 50.472,62.892 54.472,62.892 58.472,62.892 62.472,62.892 11.9,64.8 14.2,66.774 0.472,66.892 12.472,66.892 24.472,66.892 28.472,66.892 40.472,66.892 44.472,66.892 52.472,66.892 60.472,66.892 64.472,66.892 -1.528,70.892 2.472,70.892 6.472,70.892 10.472,70.892 14.472,70.892 26.472,70.892 30.472,70.892 34.472,70.892 38.472,70.892 42.472,70.892 46.472,70.892 50.472,70.892 54.472,70.892 58.472,70.892 4.472,74.892 8.472,74.892 12.472,74.892 20.472,74.892 24.472,74.892 28.472,74.892 32.472,74.892 36.472,74.892 40.472,74.892 44.472,74.892 48.472,74.892 52.472,74.892 56.472,74.892 60.472,74.892 64.472,74.892
NetC3_1: C3.1 U2.5 | length 1.8
  Top Layer w0.2: U2.5 17.5,59.45 17.75,59.7 C3.1
NetC4_1: C4.1 L1.1 U2.3 U2.12 | length 3.3
  Top Layer w0.254: U2.12@17,56.724 17,57.026 17.149,57.175 18.071,57.175 18.119,57.223 18.321,57.223 18.527,57.429 18.527,57.631 19.027,58.131 19.027,58.177 C4.1
NetC4_2: C4.2 U2.4 | length 2.9
  Top Layer w0.2: U2.4 17.925,57.7 17.925,58.575 C4.2
NetD2_2: D2.2 J1.2 J4.3 | length 17
  Top Layer w0.3: J1.2 25.5,33.196 26.054,33.75 26.23,33.75 27.88,35.4 28.4,35.4 D2.2 ; v3(27.75,41) 31.25,41 J4.3
  Bottom Layer w0.3: J1.2 25.5,38.75 v3(27.75,41)
NetD3_2: D3.2 J2.2 J5.3 | length 17.4
  Top Layer w0.3: v3(35.5,41.25) J5.3 ; J2.2 38.883,33.196 41.088,35.4 41.9,35.4 D3.2
  Bottom Layer w0.3: v3(35.5,41.25) 35.5,36.904 38.883,33.52 J2.2
NetD4_2: D4.2 J3.2 J6.3 | length 15.7
  Top Layer w0.3: J6.3 48.25,41.25 52.267,37.233 J3.2@52.267,33.196 ; J3.2 J3.2@52.267,33.196 ; D4.2 55.15,35.4 54.626,35.4 52.976,33.75 52.821,33.75 J3.2@52.267,33.196
NetLED1_A: LED1.A R5.1 | length 1.8
  Top Layer w0.254: LED1.A R5.1
NetR1_1: R1.1 R4.2 U2.7 | length 3.7
  Top Layer w0.2: R4.2 14.8,58.839 R1.1 16.475,58.6 16.5,58.575 U2.7
NRST: U1.32
PA0: U1.25
PA1: D2.3 J1.1 U1.24 | length 49.4
  Top Layer w0.3: U1.24 14.16,10.16 31,27 D2.3@31,36.5 ; J1.1 28.5,33.52 30.1,35.12 30.1,36.35 30.25,36.5 D2.3
PA2: U1.56
PA3: U1.57
PA4: D3.3 J2.1 U1.23 | length 62.6
  Top Layer w0.3: U1.23 4.415,9.535 14.242,9.535 28.827,24.12 38.62,24.12 44.5,30 D3.3@44.5,36.6 ; J2.1 41.883,33.415 42.483,34.015 42.858,34.015 43.5,34.657 43.5,36.35 43.65,36.5 D3.3
PA5: U1.44
PA6: U1.45
PA7: U1.46
PA8: U1.50
PA9: U1.49
PA10: U1.55
PA11: U1.70
PA12: U1.71
PA13: U1.7
PA14: U1.8
PA15: U1.9
PB0: D4.3 J3.1 U1.22 | length 77.2
  Top Layer w0.3: U1.22 6.455,9.035 14.449,9.035 28.914,23.5 51.25,23.5 57.7,29.95 57.7,36.35 57.55,36.5 56.8,36.5 56.8,35.054 55.867,34.12 55.267,33.52 55.267,33.395 J3.1@55.713,32.948
PB1: U1.65
PB2: U1.66
PB3: U1.54
PB4: U1.52
PB5: U1.53
PB6: U1.47
PB7: U1.11
PB8: U1.40
PB9: U1.41
PB10: U1.51
PB12: U1.69
PB13: U1.62
PB14: U1.63
PB15: U1.64
PC0: U1.20
PC1: U1.21
PC2: U1.18
PC3: U1.19
PC4: U1.60
PC5: C8.2 R6.1 R7.2 U1.74 | length 52.9
  Top Layer w0.2: R6.1 31.65,69.25 R7.2 33.925,69.3 36.025,69.3 36.108,69.217 36.958,69.217 46.4,59.775 46.4,47.134 49.834,43.7 57.222,43.7 59.475,41.447 59.475,40.18 60.255,39.4 62.22,39.4 U1.74
PC6: U1.75 U3.13 | length 30.3
  Top Layer w0.2: U3.13@49.2,58.9 49.2,58.83 47.2,56.83 47.2,47.466 50.166,44.5 61.75,44.5 62.687,43.563 62.698,43.563 63.081,43.18 U1.75
PC7: U1.48 U3.14 | length 56.1
  Top Layer w0.2: U3.14 46.8,58.97 46.8,47.3 50,44.1 57.387,44.1 59.587,41.9 63.9,41.9 64.6,41.2 64.6,27.3 64,26.7 62.7,26.7 62.096,26.096 62.096,24.036 U1.48
PC8: U1.76
PC9: U1.39
PC10: U1.1
PC11: U1.38
PC12: U1.2
PC13: U1.12
PD2: U1.37
PH1: U1.16
U5V: U1.73
VBAT/VLCD: U1.17
VDD: U1.3
VIN: U1.27
pads on no net: J1.# J2.# J3.# J7.# U1.5 U1.6 U1.26 U1.68 U2.8 U3.1 U3.2 U3.3 U3.4 U3.5 U3.6 U3.10 U3.11 U3.12 U3.15 U3.16
copper on no net:
  other v2: -0.04,48.26 2.5,48.26 60.92,48.26 63.46,48.26

## Polygon pours and split planes (outlines as drawn)
+5V on Top Layer "NONET_L-01_P-001" (solid, remove dead copper, pour order 11): 11.494,48.4 13.654,48.4 14.991,49.743 19.232,49.743 20.575,48.4 22.9,48.4 23.5,47.8 23.5,45.5 23,45 11.593,45.007 11,45.6 11,48
BATT on Top Layer "NONET_L-01_P-001" (solid, remove dead copper, pour order 9): 17.599,56.875 18.447,56.875 19.363,57.791 23.884,57.791 24.2,57.475 24.2,55.936 23.731,55.467 21.077,55.466 20.797,55.753 18.993,55.753 18.567,56.178 17.604,56.178
BATT on Top Layer "NONET_L-01_P-001" (solid, remove dead copper, pour order 8): 9.8,57.484 10.091,57.775 15.381,57.775 15.756,57.4 16.471,57.4 16.654,57.218 16.654,56.367 16.5,56.213 15.737,56.213 15.385,55.857 13.022,55.857 10.044,55.857 9.8,56.101
NetC4_1 on Top Layer "NONET_L-01_P-001" (solid, remove dead copper, pour order 10): 17.4,56.462 17.4,56.813 17.574,56.987 18.243,56.987 18.357,57.101 18.357,57.218 18.26,57.314 16.839,57.314 16.6,57.075 16.6,56.325 16.6,55.071 16.042,54.513 15.213,54.513 15.193,54.493 15.193,51.4 18.846,51.4 18.846,54.504 18.837,54.513 17.987,54.513 17.4,55.1
GND on Top Layer "Top Layer-No Net" (solid, remove dead copper, pour order 12): -3.365,-5.205 -3.365,76.795 -3.365,77.795 66.635,77.795 66.635,-5.205 -3.365,-5.205
BATT on Bottom Layer "NONET_L-01_P-001" (solid, remove dead copper, pour order 7): 9.8,57.5 10.075,57.775 23.925,57.775 24.2,57.5 24.2,55.936 23.735,55.471 10.424,55.471 9.8,56.105
GND on Bottom Layer "Top Layer-No Net" (solid, remove dead copper, pour order 13): -3.365,-5.205 -3.365,76.795 -3.365,77.795 66.635,77.795 66.635,-5.205 -3.365,-5.205

## Keep-outs
Top Layer:
  circle w0.254: c15.451,32.5 r3.5
  circle w0.254: c53.75,3.5 r3.5
  circle w0.254: c58.75,65 r3.5
  circle w0.254: c5,65 r3.5
  circle w0.254: c9.75,2.5 r3.5
Keep-Out Layer:
  lines w0.127: 66.641,75.381 ccw(c64.641,75.381) 64.641,77.381 -1.359,77.381 ccw(c-1.359,75.381) -3.359,75.381 -3.359,52.881 -3.359,-1.119 ccw(c-1.359,-1.119) -1.359,-3.119 8.141,-3.119 10.141,-5.119 43.141,-5.119 45.141,-3.119 45.141,-3.093 64.616,-3.093 64.641,-3.119 ccw(c64.641,-1.119) 66.641,-1.119 66.641,52.881 66.641,75.381 ; 66.641,75.381 66.641,75.381

## Silkscreen, mask and mechanical layers (free items; w line width, h text height)
Top Silkscreen:
  region: 10.26,-4.82 8.44,-3 10.66,-3 10.66,-4.82
  lines w0.254: 8.9,75.1 10.9,75.1 ; 21.9,75.5 23.9,75.5 ; 22.9,74.5 22.9,76.5
  text "5V" at -2.4,54.364 h1.5
  text "5V" at 32.75,42.357 h1.5
  text "5V" at 40.25,42.357 h1.5
  text "3V3" at 32.75,39.107 h1.5
  text "3V3" at 40.25,39.107 h1.5
  text "PA1" at 21.089,34.678 h1.5
  text "PA4" at 34.589,34.678 h1.5
  text "PB0" at 47.839,34.678 h1.5
  text "GND VCC SIG" at 20.494,21.912 h1.5
  text "GND VCC SIG" at 33.878,21.912 h1.5
  text "GND VCC SIG" at 47.261,21.912 h1.5
  text "Jakub Dvořák - Shield bot - Duben 2022" at 10.41,-4.82 h1.5
Bottom Silkscreen:
  lines w0.254: 12.7,70.9 14.7,70.9 ; 18.2,70.9 20.2,70.9 ; 19.2,69.9 19.2,71.9
  text "P" at 29.8,-4.6 h6
Panel Outline:
  the board outline again, w0.1

## Text inside footprints (layer, text, board x,y; h text height)
U3: Top Silkscreen "SCL" at 44.754,55.268 h1.5; Top Silkscreen "TP" at 44.754,62.888 h1.5; Top Silkscreen "GND" at 44.754,47.648 h1.5; Top Silkscreen "NC" at 44.754,65.428 h1.5; Top Silkscreen "RX" at 44.754,57.808 h1.5; Top Silkscreen "TX" at 44.754,60.348 h1.5; Top Silkscreen "NC" at 44.979,49.648 h1.5; Top Silkscreen "SDA" at 44.754,52.728 h1.5; Top Silkscreen "NC" at 27.974,55.268 h1.5; Top Silkscreen "RST" at 27.974,62.888 h1.5; Top Silkscreen "GND" at 27.974,47.648 h1.5; Top Silkscreen "NC" at 27.974,65.428 h1.5; Top Silkscreen "NC" at 27.974,57.808 h1.5; Top Silkscreen "NC" at 27.974,60.348 h1.5; Top Silkscreen "3V3" at 27.974,50.188 h1.5; Top Silkscreen "NC" at 27.974,52.728 h1.5; Top Silkscreen "GPS click" at 34.144,45.192 h2; Top Silkscreen "ANT" at 29.19,86.048 h1.5; Top Silkscreen "USB" at 40.647,86.048 h1.5